# KiCad board NNCpro.kicad_pcb (continued)
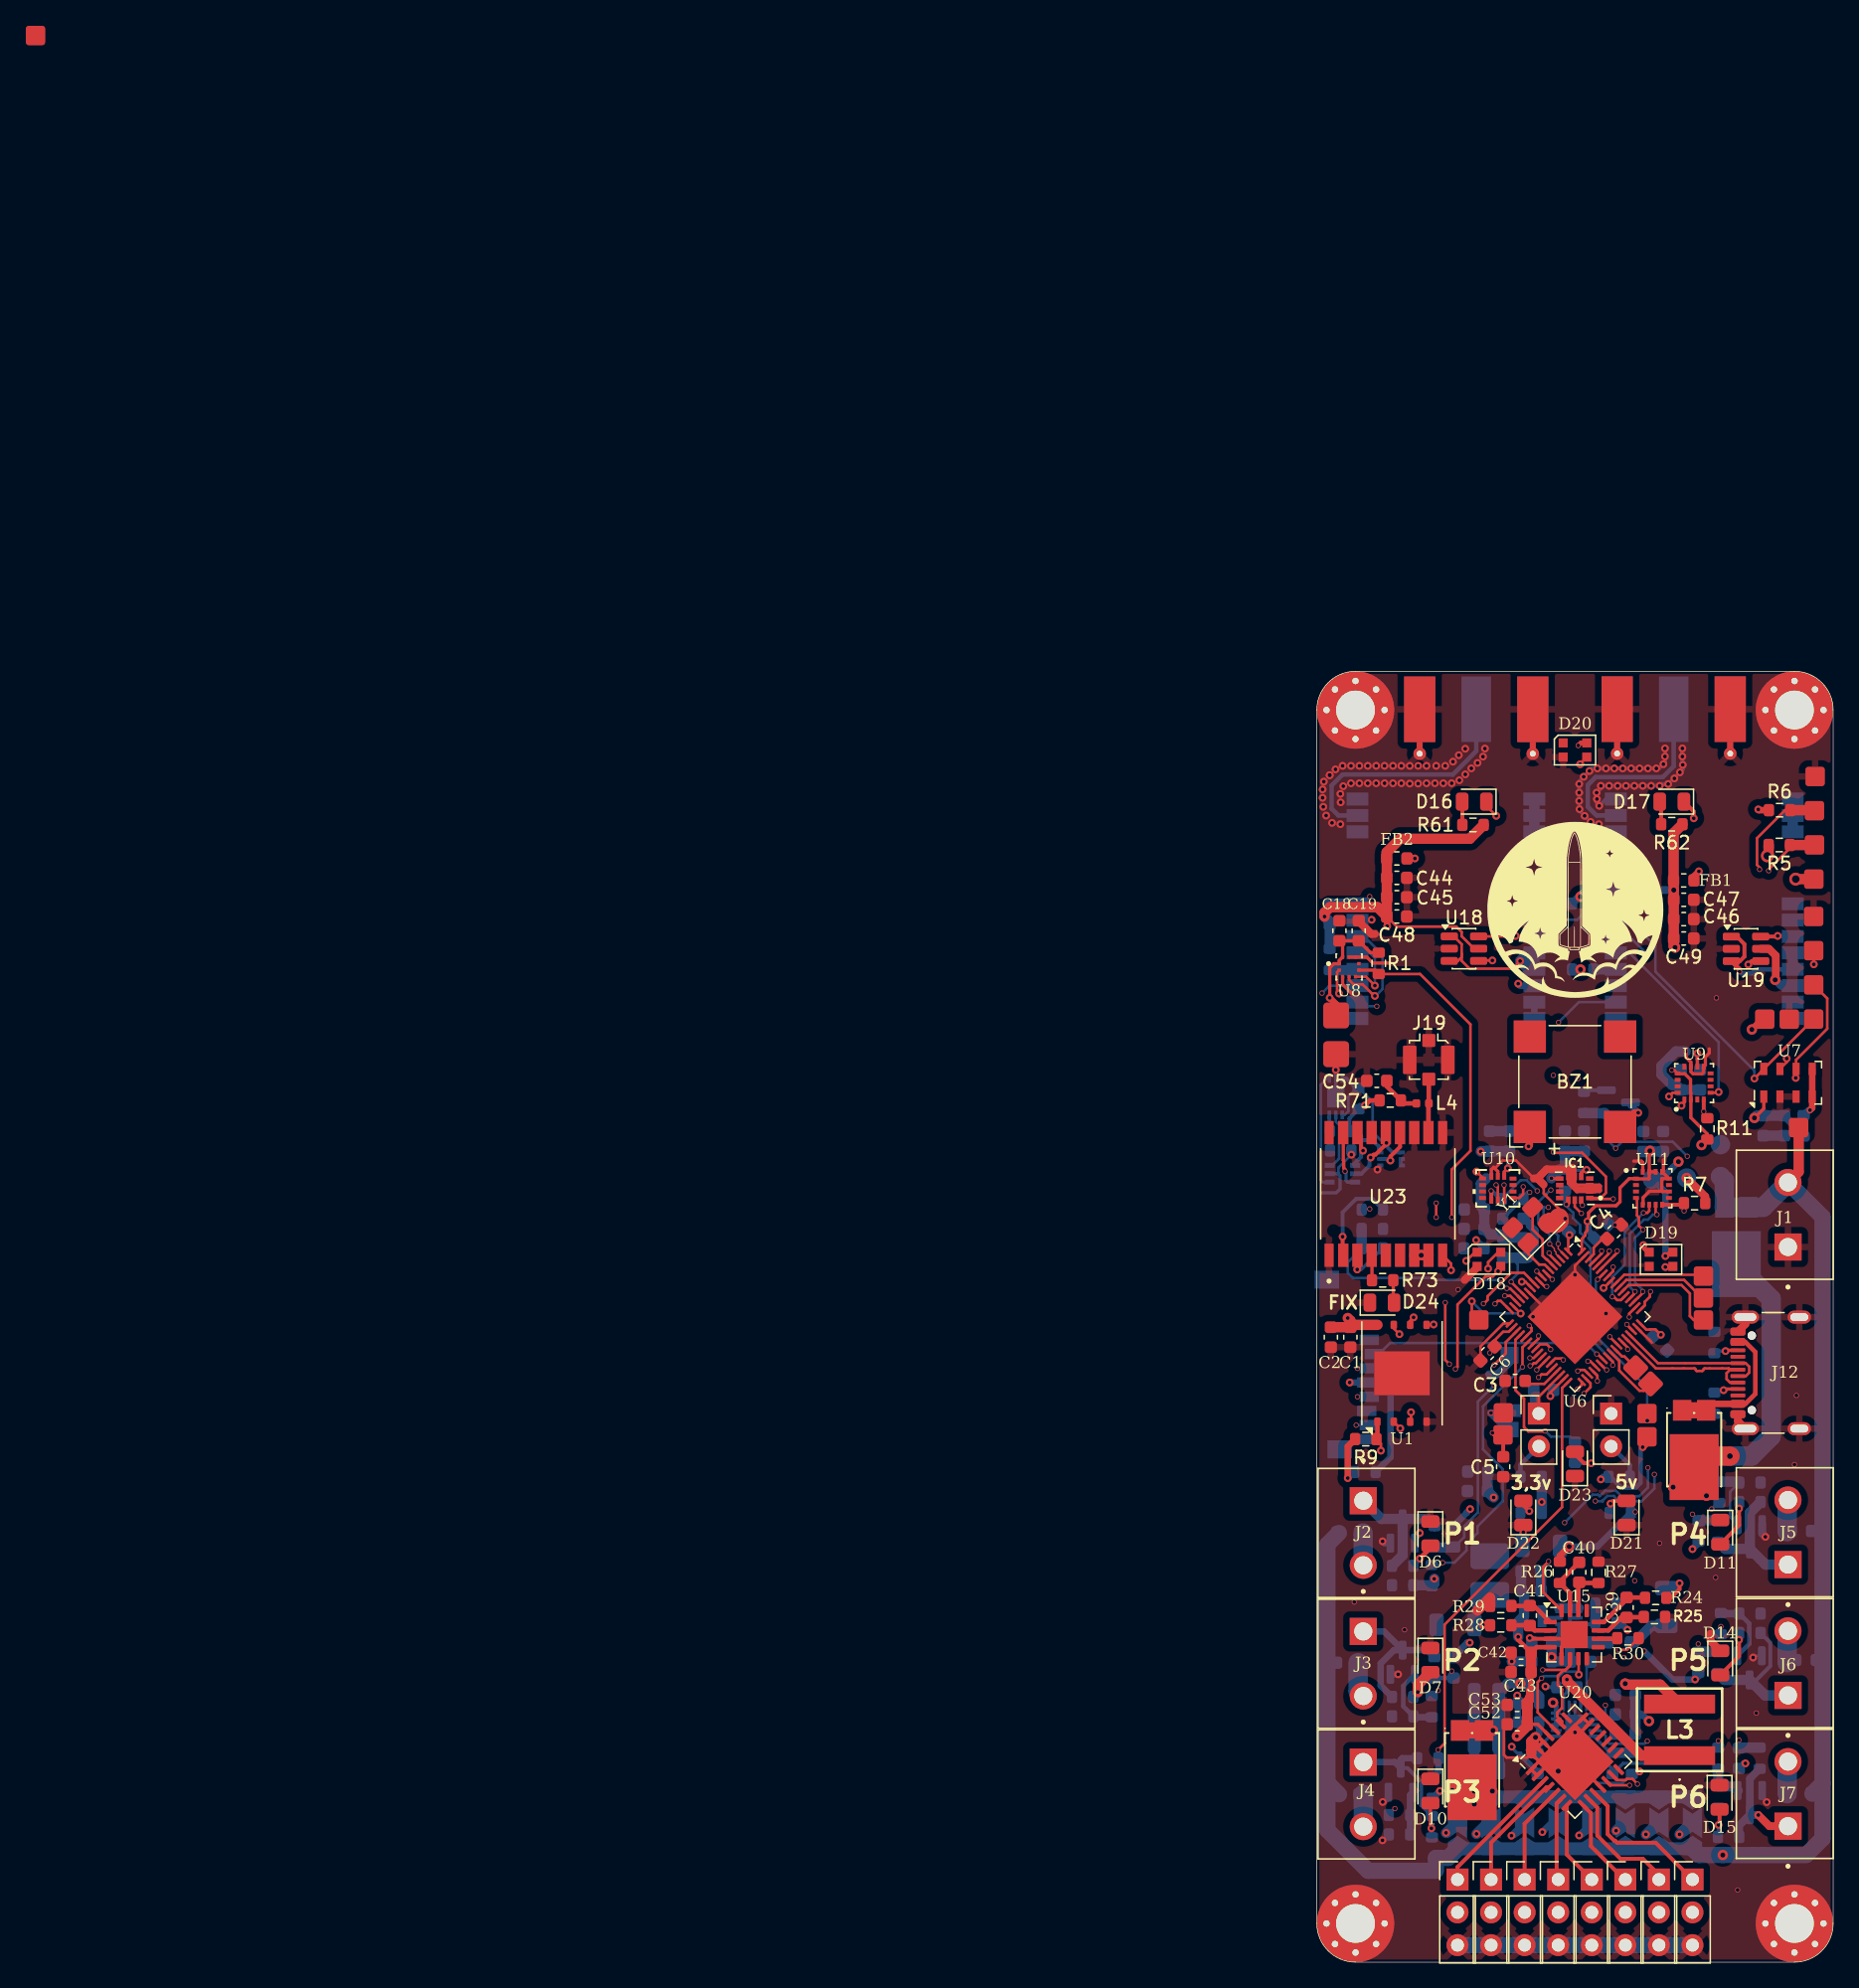
[diagram p0: board, top side]
## Library data of the parts (continued)
R1-R20 R24-R76 = -: Description: Resistor; ki_fp_filters: R_*
R21-R23 = -: Description: Resistor; Price: 0.036; ki_fp_filters: R_*
TP1-TP4 = -: Description: test point; ki_fp_filters: Pin* Test*
U1 = -: Datasheet: https://www.winbond.com/resource-files/w25q128jv_dtr%20revc%2003272018%20plus.pdf; Description: 128Mbit / 16MiB Serial Flash Memory, Standard/Dual/Quad SPI, 2.7-3.6V, WSON-8; Price: 3.1252$; ki_fp_filters: WSON*1EP*8x6mm*P1.27mm*
U6 = -: Datasheet: https://www.st.com/resource/en/datasheet/stm32h562ri.pdf; Description: STMicroelectronics Arm Cortex-M33 MCU, 2048KB flash, 640KB RAM, 250 MHz, 1.62-3.6V, 53 GPIO, VFQFPN68; Manufacturer_Part_Number: STM32H5RIV6; Price: free; ki_fp_filters: QFN*1EP*8x8mm*P0.4mm*
U7 = -: Datasheet: https://www.te.com/commerce/DocumentDelivery/DDEController?Action=srchrtrv&DocNm=MS5611-01BA03&DocType=Data+Sheet&DocLang=English; Description: Barometric pressure sensor, 10cm resolution, 10 to 1200 mbar, I2C and SPI interface up to 20MHz, LGA-8; Price: free; ki_fp_filters: LGA*3x5mm*P1.25mm*
U8 = -: Datasheet: kicad-embed://BMP390.PDF; MF: Bosch Sensortec; MAXIMUM_PACKAGE_HEIGHT: 0.8 mm; Package: None; Price: 14.02zl; Check_prices: https://www.snapeda.com/parts/BMP390L/Bosch/view-part/?ref=eda; STANDARD: Manufacturer Recommendation; PARTREV: 1.7; SnapEDA_Link: https://www.snapeda.com/parts/BMP390L/Bosch/view-part/?ref=snap; Description_1: Pressure Sensor Development Tools Evaluation Shuttle Board for the BMP390L; MANUFACTURER: BOSCH; Availability: In Stock
U9 = -: Datasheet: kicad-embed://MMC5983MA.pdf; MF: Memsic Inc.; MAXIMUM_PACKAGE_HEIGHT: 1.00 mm; Package: VFLGA-16 Memsic Inc.; Price: 2.27$; Check_prices: https://www.snapeda.com/parts/MMC5983MA/Memsic/view-part/?ref=eda; STANDARD: IPC 7351B; PARTREV: A; SnapEDA_Link: https://www.snapeda.com/parts/MMC5983MA/Memsic/view-part/?ref=snap; Description_1: MMC5983 series Magnetic, Magnetometer Sensor Evaluation Board; Availability: In Stock; MANUFACTURER: Memsic Inc.
U10 = -: Datasheet: https://www.st.com/resource/en/datasheet/lsm6dso32.pdf; Price: 18.51zl; ki_fp_filters: LGA-14L_2P5X3X0P83_STM LGA-14L_2P5X3X0P83_STM-M LGA-14L_2P5X3X0P83_STM-L
U11 = -: Datasheet: kicad-embed://h3lis200dl.pdf; PARTREV: 2; MANUFACTURER: ST MICROELECTRONICS; STANDARD: IPC 7351B; PACKAGE: LGA-16; Price: 32.2137zl
U12 = -: Datasheet: https://www.ti.com/lit/ds/symlink/tps564242.pdf; Price: 2.07zl; ki_fp_filters: TPS564242DRLR_TEX TPS564242DRLR_TEX-M TPS564242DRLR_TEX-L
U15 = -: Datasheet: http://www.ti.com/lit/ds/symlink/ina3221.pdf; Description: Triple-Channel High-Side Shunt and Bus Voltage Monitor with I2C and SMBUS Compatible Interface, QFN-16; Price: 0.83$; ki_fp_filters: Texas*RGV0016A*
U16 U17 = -: LCSC Part: C2971737
U18 U19 = -: Description: Dual schmitt inverter; Price: 0.43$; ki_fp_filters: SOT?23* SOT?363* SC?70*
U20 = -: Datasheet: http://www.nxp.com/docs/en/data-sheet/PCA9685.pdf; Description: 16-channel 12-bit PWM Fm+ I2C-bus LED controller RGBA QFN; Price: 15.76z; ki_fp_filters: QFN*1EP*6x6mm*P0.65mm*
U21 = -: Datasheet: https://lcsc.com/product-detail/Pre-ordered-Products_Analog-Devices_LT6000CDCB-TRMPBF_Analog-Devices-ADI-LINEAR-LT6000CDCB-TRMPBF_C672644.html; LCSC Part: C672644
U22 = -: LCSC Part: C19829570
U23 = -: MF: u-blox; MAXIMUM_PACKAGE_HEIGHT: 2.7mm; Package: None; Price: None; Check_prices: https://www.snapeda.com/parts/MAX-M10M-00B/u-blox/view-part/?ref=eda; STANDARD: Manufacturer Recommendations; PARTREV: C1; SnapEDA_Link: https://www.snapeda.com/parts/MAX-M10M-00B/u-blox/view-part/?ref=snap; MP: MAX-M10M-00B; Purchase-URL: https://www.snapeda.com/api/url_track_click_mouser/?unipart_id=12133580&manufacturer=u-blox&part_name=MAX-M10M-00B&search_term=max-m10m-00b; Description_1: MAX-M10 RF Receiver BeiDou, Galileo, GLONASS, GNSS, GPS -164dBm Not Included; Availability: In Stock; MANUFACTURER: u-blox
Y1 = -: Description: Four pin crystal, GND on pins 2 and 4; Price: 1.52$; ki_fp_filters: Crystal*

## Footprints (pads in the part's own frame, mm; a bottom-side part is the same pattern mirrored in y, then rotated)
3x2
  rrect 3x2 smd: 1(0,0)
7443934450068
  rect 5.5x1.45 smd: 1(0,-2) 2(0,2)
C_0603_1608Metric
  rrect 0.9x0.95 smd: 1(-0.775,0) 2(0.775,0)
C_0805_2012Metric
  rrect 1x1.45 smd: 1(-0.95,0) 2(0.95,0)
Crystal_SMD_3225-4Pin_3.2x2.5mm
  rrect 1.4x1.2 smd: 1(-1.1,-0.85) 2(1.1,-0.85) 3(1.1,0.85) 4(-1.1,0.85)
D_0603_1608Metric
  rrect 0.875x0.95 smd: 1(-0.787,0) 2(0.787,0)
DFN-6_L3.0-W2.0-P0.50-LS2.90-EP
  rect 0.28x0.66 smd: 1(-0.5,-1.41) 2(0,-1.41) 3(0.5,-1.41) 4(0.5,1.41) 5(0,1.41) 6(-0.5,1.41)
  rect 1.35x1.65 smd: 7(0,0)
Fuse_0603_1608Metric_Pad1.05x0.95mm_HandSolder
  rrect 1.05x0.95 smd: 1(-0.875,0) 2(0.875,0)
GCT_MEM2052-00-195-00-A_REVA
  rect 1.4x1.9 smd: G1(-6.575,-5.925) G2(6.575,-6.925)
  rect 1.2x1.4 smd: G3(-5.035,7.225)
  rect 1.3x1.4 smd: G4(0.715,7.225)
  rect 0.8x1.5 smd: P1(1.905,-3.635) P2(0.805,-3.235) P3(-0.295,-3.635) P4(-1.395,-3.835) P5(-2.495,-3.635) P6(-3.595,-3.835) P7(-4.695,-3.635) P8(-5.795,-3.635)
  rect 1x1.04 smd: P9(-3.585,7.595)
HANDSON_KF301-2P
  rect 2.1x2.1 hole 1.4: 1(-2.5,0)
  round 2.1 hole 1.4: 2(2.5,0)
IND-SMD_L2.0-W1.6-B
  rect 0.7x1.7 smd: 1(-0.7,0) 2(0.7,0)
L_0402_1005Metric
  rrect 0.59x0.64 smd: 1(-0.485,0) 2(0.485,0)
L_0603_1608Metric
  rrect 0.875x0.95 smd: 1(-0.787,0) 2(0.787,0)
LED_0805_2012Metric
  rrect 0.975x1.4 smd: 1(-0.938,0) 2(0.938,0)
LED_WS2812B-2020_PLCC4_2.0x2.0mm
  rect 0.7x0.7 smd: 1(-0.915,0.55) 2(-0.915,-0.55) 3(0.915,-0.55) 4(0.915,0.55)
LGA-8_3x5mm_P1.25mm
  rect 0.95x0.55 smd: 1(-1.075,1.875) 2(-1.075,0.625) 3(-1.075,-0.625) 4(-1.075,-1.875) 5(1.075,-1.875) 6(1.075,-0.625) 7(1.075,0.625) 8(1.075,1.875)
LGA-14L_2P5X3X0P83_STM
  rect 0.533x0.305 smd: 1(-1.181,0.75) 2(-1.181,0.25) 3(-1.181,-0.25) 4(-1.181,-0.75) 8(1.181,-0.75) 9(1.181,-0.25) 10(1.181,0.25) 11(1.181,0.75)
  rect 0.305x0.533 smd: 5(-0.5,-0.927) 6(0,-0.927) 7(0.5,-0.927) 12(0.5,0.927) 13(0,0.927) 14(-0.5,0.927)
MagneticBuzzer_CUI_CMT-8504-100-SMT
  rect 2.5x2.5 smd: 1(-3.5,3.5) 2(-3.5,-3.5) 3(3.5,-3.5) 4(3.5,3.5)
MountingHole_3mm_Pad_Via
  round 0.8 hole 0.5: 1(-2.25,0) 1(-1.591,1.591) 1(-1.591,-1.591) 1(0,2.25) 1(0,-2.25) 1(1.591,1.591) 1(1.591,-1.591) 1(2.25,0)
  round 6 hole 3: 1(0,0)
pad_1x1mm
  rrect 1.5x1.5 smd: 1(0,0)
PinHeader_1x02_P2.54mm_Vertical
  rect 1.7x1.7 hole 1: 1(0,0)
  round 1.7 hole 1: 2(0,-2.54)
PinHeader_1x03_P2.54mm_Vertical
  rect 1.7x1.7 hole 1: 1(0,0)
  round 1.7 hole 1: 2(0,-2.54) 3(0,-5.08)
PQFN50P300X300X100-16N
  rect 0.45x0.3 smd: 1(-1.275,0.75) 2(-1.275,0.25) 3(-1.275,-0.25) 4(-1.275,-0.75) 9(1.275,-0.75) 10(1.275,-0.25) 11(1.275,0.25) 12(1.275,0.75)
  rect 0.3x0.45 smd: 5(-0.75,-1.275) 6(-0.25,-1.275) 7(0.25,-1.275) 8(0.75,-1.275) 13(0.75,1.275) 14(0.25,1.275) 15(-0.25,1.275) 16(-0.75,1.275)
QFN-28-1EP_6x6mm_P0.65mm_EP4.25x4.25mm
  rrect 1.14x1.14 smd: (-1.42,0) (-1.42,1.42) (-1.42,-1.42) (0,1.42) (0,0) (0,-1.42) (1.42,1.42) (1.42,-1.42) (1.42,0)
  rrect 1.025x0.3 smd: 1(-2.837,1.95) 2(-2.837,1.3) 3(-2.837,0.65) 4(-2.837,0) 5(-2.837,-0.65) 6(-2.837,-1.3) 7(-2.837,-1.95) 15(2.837,-1.95) 16(2.837,-1.3) 17(2.837,-0.65) 18(2.837,0) 19(2.837,0.65) 20(2.837,1.3) 21(2.837,1.95)
  rrect 0.3x1.025 smd: 8(-1.95,-2.837) 9(-1.3,-2.837) 10(-0.65,-2.837) 11(0,-2.837) 12(0.65,-2.837) 13(1.3,-2.837) 14(1.95,-2.837) 22(1.95,2.837) 23(1.3,2.837) 24(0.65,2.837) 25(0,2.837) 26(-0.65,2.837) 27(-1.3,2.837) 28(-1.95,2.837)
  rect 4.25x4.25 smd: 29(0,0)
QFN-68-1EP_8x8mm_P0.4mm_EP5.2x5.2mm
  rrect 1.05x1.05 smd: (-1.95,1.95) (-1.95,0.65) (-1.95,-0.65) (-1.95,-1.95) (-0.65,1.95) (-0.65,0.65) (-0.65,-0.65) (-0.65,-1.95) (0.65,1.95) (0.65,0.65) (0.65,-0.65) (0.65,-1.95) (1.95,1.95) (1.95,0.65) (1.95,-0.65) (1.95,-1.95)
  rrect 0.825x0.2 smd: 1(-3.938,3.2) 2(-3.938,2.8) 3(-3.938,2.4) 4(-3.938,2) 5(-3.938,1.6) 6(-3.938,1.2) 7(-3.938,0.8) 8(-3.938,0.4) 9(-3.938,0) 10(-3.938,-0.4) 11(-3.938,-0.8) 12(-3.938,-1.2) 13(-3.938,-1.6) 14(-3.938,-2) 15(-3.938,-2.4) 16(-3.938,-2.8) 17(-3.938,-3.2) 35(3.938,-3.2) 36(3.938,-2.8) 37(3.938,-2.4) 38(3.938,-2) 39(3.938,-1.6) 40(3.938,-1.2) 41(3.938,-0.8) 42(3.938,-0.4) 43(3.938,0) 44(3.938,0.4) 45(3.938,0.8) 46(3.938,1.2) 47(3.938,1.6) 48(3.938,2) 49(3.938,2.4) 50(3.938,2.8) 51(3.938,3.2)
  rrect 0.2x0.825 smd: 18(-3.2,-3.938) 19(-2.8,-3.938) 20(-2.4,-3.938) 21(-2,-3.938) 22(-1.6,-3.938) 23(-1.2,-3.938) 24(-0.8,-3.938) 25(-0.4,-3.938) 26(0,-3.938) 27(0.4,-3.938) 28(0.8,-3.938) 29(1.2,-3.938) 30(1.6,-3.938) 31(2,-3.938) 32(2.4,-3.938) 33(2.8,-3.938) 34(3.2,-3.938) 52(3.2,3.938) 53(2.8,3.938) 54(2.4,3.938) 55(2,3.938) 56(1.6,3.938) 57(1.2,3.938) 58(0.8,3.938) 59(0.4,3.938) 60(0,3.938) 61(-0.4,3.938) 62(-0.8,3.938) 63(-1.2,3.938) 64(-1.6,3.938) 65(-2,3.938) 66(-2.4,3.938) 67(-2.8,3.938) 68(-3.2,3.938)
  rect 5.2x5.2 smd: 69(0,0)
R_0603_1608Metric
  rrect 0.8x0.95 smd: 1(-0.825,0) 2(0.825,0)
R_1206_3216Metric
  rrect 1.125x1.75 smd: 1(-1.462,0) 2(1.462,0)
SMA_Molex_73251-1153_EdgeMount_Horizontal
  rect 5.08x2.29 smd: 1(-1.72,0)
  rect 5.08x2.42 smd far side: 2(-1.72,-4.38) 2(-1.72,4.38)
  rect 5.08x2.42 smd: 2(-1.72,-4.38) 2(-1.72,4.38)
  rect 0.95x0.46 smd far side: 2(1.27,-4.38) 2(1.27,4.38)
  rect 0.95x0.46 smd: 2(1.27,-4.38) 2(1.27,4.38)
  round 0.97 hole 0.46: 2(1.72,-4.38) 2(1.72,4.38)
SolderJumper-3_P2.0mm_Open_TrianglePad1.0x1.5mm_NumberLabels
  custom 1.5x1.5 smd: 1(-2,0) 3(2,0)
  custom 2.4x1.5 smd: 2(0,0)
SolderPad2x2
  rrect 2x2 smd: 1(0,0)
SOT-23
  rrect 1.475x0.6 smd: 1(-0.938,0.95) 2(-0.938,-0.95) 3(0.938,0)
SOT-23-6
  rrect 1.325x0.6 smd: 1(-1.137,0.95) 2(-1.137,0) 3(-1.137,-0.95) 4(1.137,-0.95) 5(1.137,0) 6(1.137,0.95)
SOT-363_L2.1-W1.3-P0.65-LS2.2-BL
  rect 0.38x0.78 smd: 1(-0.65,-0.99) 2(0,-0.99) 3(0.65,-0.99) 4(0.65,0.99) 5(0,0.99) 6(-0.65,0.99)
SOTFL50P160X60-6N
  rect 0.47x0.3 smd: 1(-0.835,0.5) 2(-0.835,0) 3(-0.835,-0.5) 4(0.835,-0.5) 5(0.835,0) 6(0.835,0.5)
TestPoint_Pad_D1.5mm
  round 1.5 smd: 1(0,0)
Texas_RGV0016A_VQFN-16-1EP_4x4mm_P0.65mm_EP2.1x2.1mm
  rrect 0.85x0.85 smd: (-0.525,0.525) (-0.525,-0.525) (0.525,0.525) (0.525,-0.525)
  rrect 1.025x0.35 smd: 1(-1.863,0.975) 2(-1.863,0.325) 3(-1.863,-0.325) 4(-1.863,-0.975) 9(1.863,-0.975) 10(1.863,-0.325) 11(1.863,0.325) 12(1.863,0.975)
  rrect 0.35x1.025 smd: 5(-0.975,-1.863) 6(-0.325,-1.863) 7(0.325,-1.863) 8(0.975,-1.863) 13(0.975,1.863) 14(0.325,1.863) 15(-0.325,1.863) 16(-0.975,1.863)
  rect 2.1x2.1 smd: 17(0,0)
TO-277B_L5.7-W4.2-LS6.5-TR
  rect 1.6x1.422 smd: 1(2.2,0.93) 2(2.2,-0.93)
  rect 5.1x3.8 smd: 3(-2.2,0)
TPS564242DRLR_TEX
  rect 0.61x0.279 smd: 1(-0.749,0.5) 2(-0.749,0) 3(-0.749,-0.5) 4(0.749,-0.5) 5(0.749,0) 6(0.749,0.5)
U.FL_Molex_MCRF_73412-0110_Vertical
  rrect 1x1 smd: 1(0,-1.5) 2(0,1.5)
  rrect 1.05x2.2 smd: 2(-1.475,0) 2(1.475,0)
USB_C_Receptacle_GCT_USB4105-xx-A_16P_TopMnt_Horizontal
  round 0.65 hole 0.65 unplated: (-2.89,2.605) (2.89,2.605)
  rrect 0.6x1.15 smd: A1(-3.2,3.68) A4(-2.4,3.68) A9(2.4,3.68) A12(3.2,3.68) B1(3.2,3.68) B4(2.4,3.68) B9(-2.4,3.68) B12(-3.2,3.68)
  rrect 0.3x1.15 smd: A5(-1.25,3.68) A6(-0.25,3.68) A7(0.25,3.68) A8(1.25,3.68) B5(1.75,3.68) B6(0.75,3.68) B7(-0.75,3.68) B8(-1.75,3.68)
  oval 1x2.1 hole 0.6x1.7: S1(-4.32,3.105) S1(4.32,3.105)
  oval 1x1.8 hole 0.6x1.4: S1(-4.32,-1.075) S1(4.32,-1.075)
VQFN-20-1EP_3x3mm_P0.45mm_EP1.55x1.55mm
  rrect 0.62x0.62 smd: (-0.39,-0.39) (-0.39,0.39) (0.39,-0.39) (0.39,0.39)
  custom 0.85x0.25 smd: 1(-1.45,0.9) 5(-1.45,-0.9) 11(1.45,-0.9) 15(1.45,0.9)
  rrect 0.85x0.25 smd: 2(-1.45,0.45) 3(-1.45,0) 4(-1.45,-0.45) 12(1.45,-0.45) 13(1.45,0) 14(1.45,0.45)
  custom 0.25x0.85 smd: 6(-0.9,-1.45) 10(0.9,-1.45) 16(0.9,1.45) 20(-0.9,1.45)
  rrect 0.25x0.85 smd: 7(-0.45,-1.45) 8(0,-1.45) 9(0.45,-1.45) 17(0.45,1.45) 18(0,1.45) 19(-0.45,1.45)
  rect 1.55x1.55 smd: 21(0,0)
WIRELM-SMD_22P-L20.0-W14.0-P1.27-BR
  rect 1.7x1 smd: 1(6.85,-8.5) 2(6.85,-7.23) 3(6.85,-5.96) 4(6.85,-0.39) 5(6.85,0.88) 6(6.85,2.15) 7(6.85,3.42) 8(6.85,4.69) 9(6.85,5.96) 10(6.85,7.23) 11(6.85,8.5) 12(-6.85,8.5) 13(-6.85,7.23) 14(-6.85,5.96) 15(-6.85,4.69) 16(-6.85,3.42) 17(-6.85,2.15) 18(-6.85,0.88) 19(-6.85,-0.39) 20(-6.85,-5.96) 21(-6.85,-7.23) 22(-6.85,-8.5)
WSON-8-1EP_8x6mm_P1.27mm_EP3.4x4.3mm
  rrect 1.37x1.73 smd: (-0.85,1.075) (-0.85,-1.075) (0.85,1.075) (0.85,-1.075)
  rrect 0.65x0.5 smd: 1(-3.75,1.905) 2(-3.75,0.635) 3(-3.75,-0.635) 4(-3.75,-1.905) 5(3.75,-1.905) 6(3.75,-0.635) 7(3.75,0.635) 8(3.75,1.905)
  rect 3.4x4.3 smd: 9(0,0)
XCVR_MAX-M10M-00B
  rect 1.8x0.7 smd: 1(-4.75,4.4) 9(-4.75,-4.4) 10(4.75,-4.4) 18(4.75,4.4)
  rect 1.8x0.8 smd: 2(-4.75,3.3) 3(-4.75,2.2) 4(-4.75,1.1) 5(-4.75,0) 6(-4.75,-1.1) 7(-4.75,-2.2) 8(-4.75,-3.3) 11(4.75,-3.3) 12(4.75,-2.2) 13(4.75,-1.1) 14(4.75,0) 15(4.75,1.1) 16(4.75,2.2) 17(4.75,3.3)
XDCR_BMP390L
  rect 0.25x0.275 smd: 1(0.25,0.762) 2(-0.25,0.762) 6(-0.25,-0.762) 7(0.25,-0.762)
  rect 0.275x0.25 smd: 3(-0.762,0.5) 4(-0.762,0) 5(-0.762,-0.5) 8(0.762,-0.5) 9(0.762,0) 10(0.762,0.5)
XDCR_LSM6DSV16XTR
  rect 0.575x0.35 smd: 1(-1.163,0.75) 2(-1.163,0.25) 3(-1.163,-0.25) 4(-1.163,-0.75) 8(1.163,-0.75) 9(1.163,-0.25) 10(1.163,0.25) 11(1.163,0.75)
  rect 0.35x0.575 smd: 5(-0.5,-0.912) 6(0,-0.912) 7(0.5,-0.912) 12(0.5,0.912) 13(0,0.912) 14(-0.5,0.912)

## Nets
5V_EN: IC2.12 U6.20
+3.3V: BZ1.1 C1.1 C2.1 C6.1 C7.1 C8.1 C9.1 C10.1 C13.1 C14.2 C15.1 C16.2 C18.1 C19.2 C20.1 C21.1 C22.2 C23.1 C24.2 C27.2 C29.2 C42.1 C43.2 C50.1 C51.1 C52.1 C53.2 D4.1 D5.1 D8.1 D9.1 D12.1 D13.1 FB1.2 FB2.2 FB3.1 IC1.5 IC1.8 J13.P4 J41.1 J45.1 L1.1 L5.1 R1.2 R2.1 R3.2 R5.2 R6.1 R7.2 R8.1 R9.2 R10.2 R11.1 R17.2 R55.1 R59.1 R66.2 TP2.1 U1.8 U2.1 U6.1 U6.19 U6.33 U6.51 U6.68 U7.1 U8.1 U8.10 U9.2 U9.13 U10.5 U10.8 U11.1 U11.14 U11.15 U15.4 U20.25
+3.3VA: C11.1 C12.1 L1.2 U6.13
+3.3VADC: C55.1 C56.2 FB3.2 R76.2 U23.7 U23.8
+3.3VP1: C46.1 C47.2 C49.2 FB1.1 R57.2 R60.1 R62.1 U17.9 U19.5
+3.3VP2: C44.1 C45.2 C48.2 FB2.1 R56.2 R58.1 R61.1 U16.9 U18.5
+5V: D18.4 D19.4 D20.4 D27.3 J38.1 JP1.1 JP2.1 JP3.1 JP4.1 JP5.1 JP6.1 JP7.1 JP8.1 R22.1 R26.1 R65.2 TP3.1
GND: C1.2 C2.2 C3.2 C4.2 C5.1 C6.2 C7.2 C8.2 C9.2 C10.2 C11.2 C12.2 C13.2 C14.1 C15.2 C16.1 C17.1 C18.2 C19.1 C20.2 C21.2 C22.1 C23.2 C24.1 C25.1 C26.1 C27.1 C28.1 C29.1 C30.2 C31.2 C32.2 C33.2 C35.1 C36.1 C37.1 C38.1 C42.2 C43.1 C44.2 C45.1 C46.2 C47.1 C48.1 C49.1 C50.2 C51.2 C52.2 C53.1 C54.1 C55.2 C56.1 D6.1 D7.1 D10.1 D11.1 D14.1 D15.1 D18.2 D19.2 D20.2 D21.1 D22.1 D23.1 D24.1 H1.1 H2.1 H3.1 H4.1 IC1.2 IC1.3 IC1.6 IC1.7 IC2.7 IC2.8 IC2.10 IC2.13 IC2.16 IC2.18 IC2.21 J1.1 J8.1 J9.1 J10.2 J11.2 J12.A1 J12.A12 J12.B1 J12.B12 J12.S1 J13.G1 J13.G2 J13.G3 J13.G4 J13.P6 J14.3 J15.3 J16.3 J17.3 J18.3 J19.2 J20.3 J21.3 J22.3 J33.1 J40.1 J44.1 J46.1 Q1.2 Q2.2 Q3.2 Q4.2 Q5.2 Q6.2 Q7.2 Q8.1 R4.1 R14.1 R16.1 R18.2 R19.1 R21.2 R22.2 R23.2 R25.2 R27.2 R29.2 R34.2 R36.2 R42.2 R44.2 R50.2 R52.2 R63.2 R64.1 R68.2 R70.1 TP1.1 U1.4 U1.9 U4.1 U6.12 U6.18 U6.32 U6.50 U6.67 U6.69 U7.2 U7.3 U8.3 U8.8 U8.9 U9.9 U9.11 U10.6 U10.7 U11.5 U11.10 U11.12 U11.13 U11.16 U12.3 U12.4 U14.1 U15.3 U15.5 U15.17 U16.1 U16.2 U16.3 U16.4 U16.10 U16.11 U16.12 U16.20 U16.22 U17.1 U17.2 U17.3 U17.4 U17.10 U17.11 U17.12 U17.20 U17.22 U18.2 U19.2 U20.1 U20.2 U20.11 U20.20 U20.21 U20.26 U20.27 U20.28 U20.29 U21.5 U21.7 U22.2 U23.1 U23.10 U23.12 Y1.2 Y1.4
VBUS: D25.1 D25.2 J12.A4 J12.A9 J12.B4 J12.B9
VCC_5v_BUCK: C30.1 IC2.17 R12.1 R13.2
VIN: C31.1 C32.1 C33.1 D25.3 D26.3 R20.2 R21.1 R24.1 U12.1
+BATT: C25.2 C26.2 C28.2 D26.1 D26.2 F1.1 F2.1 F3.1 F4.1 F5.1 F6.1 IC2.2 IC2.3 IC2.4 IC2.5 J1.2 J39.1 JP1.3 JP2.3 JP3.3 JP4.3 JP5.3 JP6.3 JP7.3 JP8.3 TP4.1
-IN: U21.2 U22.3
ARGB: D18.3 U20.13
BUSY_1: U6.65 U17.14
BUSY_2: U6.53 U16.14
Buzz: Q7.1 R68.1 U20.12
CS_BMP390: R1.1 U6.4 U8.6
CS_H3L: R7.1 U6.49 U11.8
CS_LoRa1: R60.2 U6.2 U17.19
CS_LoRa2: R58.2 U6.61 U16.19
CS_LSM1: R8.2 U6.52 U10.12
CS_LSM2: IC1.12 R3.1 U6.42
CS_MAG: R11.2 U6.46 U9.4
CS_MS5611: R10.1 U6.45 U7.4 U7.5
CS_SD: J13.P2 R2.2 U6.41
DIO1_1: U6.3 U17.13
DIO1_2: U6.64 U16.13
GPS_IN: R75.2 R76.1 U6.14
GPS_OUT: R74.2 U6.63
GPS_RST: U6.15 U23.9
I2C_SCL: J42.1 R5.1 U6.29 U15.6 U20.23
I2C_SDA: J43.1 R6.2 U6.30 U15.7 U20.24
LED_1: R67.2 U6.21
NRST_LoRa1: R57.1 U17.15
NRST_LoRa2: R56.1 U16.15
OSPI_CLK: U1.6 U6.17
OSPI_IO0: U1.5 U6.11
OSPI_IO1: U1.2 U6.26
OSPI_IO2: U1.3 U6.10
OSPI_IO3: U1.7 U6.22
OSPI_NCS: R9.1 U1.1 U6.60
P_DET_1: D4.2 R33.2 U6.24
P_DET_2: D5.2 R35.2 U6.27
P_DET_3: D8.2 R41.2 U6.34
P_DET_4: D9.2 R43.2 U6.39
P_DET_5: D12.2 R49.2 U6.37
P_DET_6: D13.2 R51.2 U6.35
PA1: J30.1
PA2: J31.1 U6.16
PA8: J36.1 U6.44
PB3: J32.1 U6.57
PB4: J34.1 U6.58
PB5: J35.1 U6.59
PC9: J37.1 U6.43
PYRO_1: R31.1 U6.23
PYRO_2: R32.1 U6.25
PYRO_3: R39.1 U6.28
PYRO_4: R40.1 U6.40
PYRO_5: R47.1 U6.38
PYRO_6: R48.1 U6.36
SepDet1: J8.2 R55.2 U6.8
SepDet2: J9.2 R59.2 U6.9
Serv_1: J14.1 U20.3
Serv_2: J15.1 U20.4
Serv_3: J16.1 U20.5
Serv_4: J17.1 U20.6
Serv_5: J18.1 U20.7
Serv_6: J20.1 U20.8
Serv_7: J21.1 U20.9
Serv_8: J22.1 U20.10
SPI_CLK: IC1.13 J13.P5 J29.1 U6.54 U7.8 U8.2 U9.1 U10.13 U11.4 U16.18 U17.18
SPI_MISO: IC1.1 J13.P7 J28.1 U6.55 U7.6 U8.5 U9.5 U10.1 U11.7 U16.16 U17.16
SPI_MOSI: IC1.14 J13.P3 J27.1 U6.56 U7.7 U8.4 U9.16 U10.14 U11.6 U16.17 U17.17
USB_DN: J12.A7 J12.B7 U6.47
USB_DP: J12.A6 J12.B6 U6.48
V_RF: Q8.4 R72.1 U21.1 U21.6 U22.5 U23.14
Net-(BZ1--): BZ1.2 Q7.3
Net-(C3-Pad1): C3.1 U6.31
Net-(C4-Pad1): C4.1 U6.66
Net-(C35-Pad2): C35.2 C36.2 C37.2 C38.2 D27.1 D27.2 L3.2 R15.2
Net-(C54-Pad2): C54.2 L4.1 R71.2
Net-(D6-A): D6.2 R37.1
Net-(D7-A): D7.2 R38.1
Net-(D10-A): D10.2 R45.1
Net-(D11-A): D11.2 R46.1
Net-(D14-A): D14.2 R53.1
Net-(D15-A): D15.2 R54.1
Net-(D16-A): D16.2 R61.2
Net-(D16-K): D16.1 U18.4
Net-(D17-A): D17.2 R62.2
Net-(D17-K): D17.1 U19.4
Net-(D18-DOUT): D18.1 D19.3
Net-(D19-DOUT): D19.1 D20.3
Net-(D21-A): D21.2 R65.1
Net-(D22-A): D22.2 R66.1
Net-(D23-A): D23.2 R67.1
Net-(D24-A): D24.2 R73.1
Net-(IC2-BST): C34.2 IC2.1
Net-(IC2-FB): IC2.14 R15.1 R16.2
Net-(IC2-MODE): IC2.15 R12.2 R14.2
Net-(IC2-PGOOD): IC2.9 R13.1
Net-(IC2-SW_1): C34.1 IC2.6 IC2.19 IC2.20 L3.1
Net-(J2-Pin_1): J2.1 Q1.3 R33.1 R37.2
Net-(J2-Pin_2): F2.2 J2.2
Net-(J3-Pin_1): J3.1 Q2.3 R35.1 R38.2
Net-(J3-Pin_2): F1.2 J3.2
Net-(J4-Pin_1): J4.1 Q3.3 R41.1 R45.2
Net-(J4-Pin_2): F3.2 J4.2
Net-(J5-Pin_1): J5.1 Q4.3 R43.1 R46.2
Net-(J5-Pin_2): F4.2 J5.2
Net-(J6-Pin_1): J6.1 Q5.3 R49.1 R53.2
Net-(J6-Pin_2): F5.2 J6.2
Net-(J7-Pin_1): J7.1 Q6.3 R51.1 R54.2
Net-(J7-Pin_2): F6.2 J7.2
Net-(J10-In): J10.1 U17.21
Net-(J11-In): J11.1 U16.21
Net-(J12-CC1): J12.A5 R63.1
Net-(J12-CC2): J12.B5 R64.2
Net-(J14-Pin_2): J14.2 JP1.2
Net-(J15-Pin_2): J15.2 JP2.2
Net-(J16-Pin_2): J16.2 JP3.2
Net-(J17-Pin_2): J17.2 JP4.2
Net-(J18-Pin_2): J18.2 JP5.2
Net-(J19-In): J19.1 L4.2 U23.11
Net-(J20-Pin_2): J20.2 JP6.2
Net-(J21-Pin_2): J21.2 JP7.2
Net-(J22-Pin_2): J22.2 JP8.2
Net-(Q1-G): Q1.1 R31.2 R34.1
Net-(Q2-G): Q2.1 R32.2 R36.1
Net-(Q3-G): Q3.1 R39.2 R42.1
Net-(Q4-G): Q4.1 R40.2 R44.1
Net-(Q5-G): Q5.1 R47.2 R50.1
Net-(Q6-G): Q6.1 R48.2 R52.1
Net-(Q8-D1): Q8.5 Q8.6
Net-(Q8-D2): Q8.3 R69.2 R71.1 R72.2
Net-(Q8-G1): Q8.2 U23.13
Net-(R23-Pad1): R23.1 R28.1 U13.1
Net-(U6-BOOT0): R4.2 U3.1 U6.62
Net-(U6-NRST): C5.2 U5.1 U6.7
Net-(U6-PH0): U6.5 Y1.3
Net-(U6-PH1): U6.6 Y1.1
Net-(U9-CAP): C17.2 U9.10
Net-(U12-EN): R19.2 R20.1 U12.5
Net-(U12-FB): R17.1 R18.1 U12.6
Net-(U12-SW): L5.2 U12.2
Net-(U15-IN+1): C39.2 R24.2 U15.12
Net-(U15-IN+2): C40.2 R26.2 U15.15
Net-(U15-IN+3): C41.2 R28.2 U15.2
Net-(U15-IN-1): C39.1 R25.1 U15.11
Net-(U15-IN-2): C40.1 R27.1 U15.14
Net-(U15-IN-3): C41.1 R29.1 U15.1
Net-(U15-PV): R30.1 U15.10
Net-(U15-VPU): R30.2 U15.16
Net-(U16-DIO2): U16.7 U16.8 U18.1 U18.3
Net-(U16-RXEN): U16.6 U18.6
Net-(U17-DIO2): U17.7 U17.8 U19.1 U19.3
Net-(U17-RXEN): U17.6 U19.6
Net-(U21-+IN): R69.1 R70.2 U21.3
Net-(U21-OUT): U21.4 U22.1
Net-(U22-Y1): U22.6 U23.17
Net-(U22-Y2): U22.4 U23.16
Net-(U23-RXD): R75.1 U23.3
Net-(U23-TIMEPULSE): R73.2 U23.4
Net-(U23-TXD): R74.1 U23.2

Pads without a net: BZ1 3 4; D20 1; IC1 4 9 10 11; IC2 11; J12 A8 B8; J13 P1 P8 P9; U8 7; U9 3 6 7 8 12 14 15; U10 2 3 4 9 10 11; U11 2 3 9 11; U15 8 9 13; U16 5; U17 5; U20 14 15 16 17 18 19 22; U23 5 6 15 18

## Via types
v1: diameter 0.6, hole 0.3, Top to Bottom, 208 vias
v2: diameter 0.4, hole 0.3, Top to Bottom, 137 vias
v3: diameter 0.8, hole 0.4, Top to Bottom, 28 vias
v4: diameter 1, hole 0.6, Top to Bottom, 2 vias
v5: diameter 0.8, hole 0.45, Top to Bottom, 1 via

## Routing (per net, layer and track width the routed paths; a pad name or vN(x,y) marks a point on that pad's centre or on a via; arc(x,y) is an arc through that point)
5V_EN: length 37.5
  Top w0.2: U6.20 14.64,48.03 14.64,47.17 13.84,46.37 13.83,46.37 v2(13.73,46.27)
  In1.Cu w0.2: v2(13.73,46.27) 13.92,46.27 14.24,45.95 14.24,39.7 23.47,30.48 23.47,25.5 24.59,24.38 24.59,21.29 23.21,19.9 v2(22.35,19.9)
  Bottom w0.2: IC2.12 21.96,18.85 22.35,19.25 v2(22.35,19.9)
+3.3V: length 152
  Top w0.2: U6.1 19.48,56.23 v1(19.58,56.33) ; v1(26.65,48.6) 26.23,49.02 25.82,49.02 25.8,49 25.53,49 U6.51 ; U6.68 20.52,56.02 20.8,56.3 20.8,56.52 20.96,56.68 v1(20.96,57.39) ; v2(13.4,47.2) 13.78,47.58 13.78,48.17 14.44,48.84 14.88,48.84 U6.19 ; v2(27.5,69.1) 27.7,69.1 U9.13 ; U6.33 18.1,44.14 18.1,43.86 v1(18.09,43.85) ; U10.8 12.84,60.78 v1(12.37,61.25)
  Top w0.25: U9.13 27.97,68.83 28.5,68.83 28.95,68.38 28.95,67.35 28.97,67.33 U9.2 28.97,65.42 30.25,64.15 R11.1 30.23,63.73 v3(29.8,63.3) ; v1(1,74.7) 1,77.03 1.33,77.35 U8.1 1.74,77.6 U8.10 2,78.88 C18.1 C19.2 4.17,78.2 R1.2 ; C52.1 17.11,18.43 U20.25 ; v1(20.96,57.39) 21.05,57.47 21.05,58.05 21.6,58.6 23.18,58.6 23.49,58.91 23.49,59.99 24.2,60.7 U11.1 24.75,60.67 25.72,60.67 25.75,60.7 25.75,61.22 ; U7.1 34.62,66.12 v3(33.9,65.4) ; IC1.5 20.48,61.14 20.71,61.38 v1(20.9,61.38) ; IC1.8 18.2,60.7 v2(18.17,60.73) ; 25.75,61.22 25.75,62.55 25.92,62.72 25.92,62.73 v3(25.8,62.85) ; 25.75,61.22 26.25,61.22 ; U10.5 14.52,61.22 v1(14.8,61.5)
  Top w0.35: 16.44,22 16.55,21.89 16.55,21.25 16.37,21.08 16.37,20.55 16.04,20.21 16.3,19.95 C53.2 ; C53.2 16.33,19.93 16.64,20.24 16.64,20.75 ; C53.2 16.3,20.55 16.6,20.85 C43.2 ; v1(15.6,25.2) 15.6,24.97 C42.1 17.03,24.4 U15.4
  Top w0.5: v1(2.4,37.5) 2.4,39.95 R9.2 ; J45.1 1.5,74.2 v1(1,74.7) ; v1(29.6,84.5) 29.21,84.11 FB1.2 ; v1(25.24,39.89) 25.58,40.22 U2.1 ; R6.1 34.26,89.24 v1(34.2,89.3) ; v1(16.4,63.2) 16.5,63.3 BZ1.1 ; FB2.2 v1(7.6,85.5)
  Top w0.6: v3(28.65,60.75) 30.09,59.31 R7.2
  Top w0.8: C2.1 C1.1 ; C1.1 2.6,49.7 v1(2.4,49.9) ; C1.1 2.78,49.37 U1.8 ; v4(34.9,85.7) 35,85.8 R5.2 ; v1(15.5,17.5) 16.3,18.3 C53.2 C52.1 ; J41.1 v4(37.1,83.9) ; C42.1 C43.2
  In1.Cu w0.2: v1(18.09,43.85) 17.48,43.85 14.2,47.13 14.2,47.2
  In1.Cu w0.35: v1(20.96,57.39) 21.15,57.57 21.15,61.12 v1(20.9,61.38)
  In1.Cu w0.6: 14.3,47.1 14.2,47.2 v2(13.4,47.2) 10.15,47.2 9.55,46.6
  In2.Cu w0.25: v2(18.17,60.73) 17.31,60.73 16.49,59.9 v2(16.49,59.64)
  In2.Cu w0.35: v2(23.8,23.6) 23.8,23.55 24.1,23.85 25.1,23.85 v2(25.35,24.1)
  Bottom w0.2: v2(27.5,69.1) 27.53,69.12 C20.1
  Bottom w0.25: R3.2 19.31,61.34 20.87,61.34 v1(20.9,61.38) ; C23.1 14.8,62.72 v1(14.8,61.5)
  Bottom w0.3: v2(16.49,59.64) 16.34,59.64 16,59.3 R8.1 15.91,59.11 L1.1
  Bottom w0.35: v1(25.24,39.89) 25.08,39.72 25.08,37.13 24.69,36.75 23.61,36.75 22.76,37.6 R59.1
  Bottom w0.5: D8.1 8.99,12.71 v1(9.54,13.26) ; R59.1 22.2,37.6 v1(22,37.4) ; v1(2.55,44.91) 2.56,44.9 2.7,44.9 2.7,44.91 3.86,44.91 ; C8.1 19.53,56.38 v1(19.58,56.33) ; v1(29.1,32) 29.57,32.47 D9.1 ; D4.1 10.65,33.85 11.63,34.83 11.63,34.86 v1(11.88,35.1) ; C7.1 18.09,44.07 v1(18.09,43.85) ; v1(20.96,57.39) 21.02,57.33 21.02,56.68 21.5,56.2 C10.1 ; v1(26.65,48.6) 26.17,48.6 26.05,48.47 ; v1(33.2,15.4) 33.09,15.4 D13.1 ; FB3.1 12.34,55.93 v1(12.34,55.94) ; v1(2.4,37.5) 2.87,37.97 R2.1 ; 23.22,26.28 23.54,26.28 v1(24.07,25.75) ; v2(25.35,24.1) 27.55,21.9 v1(29.3,21.9) 29.55,22.15 D12.1 ; v1(11.84,24.75) 11.65,24.75 11.13,24.23 11.13,24.12 D5.1
  Bottom w0.6: C13.1 37.71,64.06 R10.2
  Bottom w0.8: C23.1 C24.2 12.72,62.83 v1(12.7,62.8) ; v1(13.7,36) 13.22,36.47 13.22,37.97 C50.1 ; C22.2 25.75,62.8 v3(25.8,62.85) 25.92,62.85 25.97,62.8 C21.1 ; C29.2 C27.2 16.05,28.55 L5.1 15.6,26.35 15.6,25.2 ; C13.1 C14.2 34.07,65.58 v3(33.9,65.4) ; C15.1 C16.2 19.23,62.82 R3.2 18.87,61.42 v2(18.17,60.73) ; R55.1 R66.2 v1(17.42,35.65)
+3.3VA: length 9.5
  Top w0.2: U6.13 15.05,52.69 15.05,52.71
  Bottom w0.2: 15.05,54.58 15.55,54.08 15.55,53.32 15.09,52.86 15.09,52.74 v2(15.05,52.7) 15.09,52.67 15.09,52.65
  Bottom w0.6: 16.4,54.58 16.5,54.67 16.5,55.19 16.9,55.59 16.9,56.66 16.5,57.06 16.5,57.2 16.1,57.6
  Bottom w0.8: L1.2 16.1,57.6 ; 14.42,54.58 16.4,54.58
+3.3VADC: length 1.1
  Top w0.8: U23.7 v3(8.09,54.76) U23.8
+3.3VP1: length 38.3
  Top w0.6: U19.5 35.02,78.5 35.55,77.97 35.55,76.13 v3(35.51,76.09)
  Top w0.8: v3(27.75,78.6) 27.65,78.7 C49.2 v3(27.65,83.05) 27.65,83.79 FB1.1 27.64,87.46 R62.1
  In2.Cu w0.6: v3(20.42,76.9) v3(20.42,82.54)
  In2.Cu w0.8: v3(27.75,78.6) 33.4,78.6 35.51,76.49 v3(35.51,76.09)
  Bottom w0.6: 19.78,82 20.83,83.05 v3(27.65,83.05) ; v3(35.51,76.09) 35.96,75.64 U17.9 ; 19.78,76.9 v3(20.42,76.9)
+3.3VP2: length 44
  Top w0.2: U18.5 12.18,78.51 11.22,79.47 11.22,79.8 10.8,80.22 6.2,80.22 C48.2
  Top w0.5: C48.2 5.45,80.97 v1(5.45,80.25)
  Top w0.8: R61.1 11.85,87.03 6.46,87.03 5.41,85.97 FB2.1 5.42,85.49 C48.2 4.7,81.72 1.03,81.72 0.6,81.3 v1(0.6,81)
  In1.Cu w0.5: v1(15.6,75.8) 9.9,75.8 v1(5.45,80.25)
  Bottom w0.5: U16.9 15.76,75.64 v1(15.6,75.8)
  Bottom w0.8: v1(0.6,81) 1,80.6 R58.1 R56.2
+5V: length 150.8
  Top w0.2: D19.4 27.3,55 v1(27,54.7) ; v1(13.27,53.72) 13.27,54.22 14.05,55 D18.4
  Top w0.35: D20.4 20.45,94.45 v2(20.25,94.25)
  Top w0.5: v3(19.55,32.2) 18.83,31.47 R26.1 ; v3(33.7,72.25) 34.55,73.1 34.7,73.1
  In2.Cu w0.2: 27.35,52.8 26.9,53.25 26.75,53.25 26.55,53.45 25.98,53.45 23.83,55.6 19.46,55.6 18.56,56.5 16.05,56.5 v1(13.27,53.72) ; 27.35,52.8 27.7,53.15 27.7,54 v1(27,54.7) ; 27.35,52.8 27.35,52.74 25.08,50.47 23.97,50.47 23.5,50 23.5,44.1 23.95,43.65 23.95,39.48 23.4,38.93 23.4,36.16 v2(24.67,34.88)
  In2.Cu w0.35: v2(20.25,94.25) 20.7,94.7 28.6,94.7 33.53,89.77 33.53,79.57 36.28,76.81 36.28,74.83 v3(33.7,72.25)
  In2.Cu w0.5: v3(33.7,72.25) 33.15,71.7 33.15,67.85 28.01,62.71 v3(28.01,62.01) ; v3(12.2,12.25) 12.75,12.8 12.75,24.09 19.55,30.89 v3(19.55,32.2)
  Bottom w0.5: R65.2 21.72,32.2 v3(19.55,32.2) 18.9,32.2 R22.1 ; v1(27,54.7) 27,59.65 TP3.1 26.65,60.65 v3(28.01,62.01)
  Bottom w1: JP1.1 JP8.1
  vias: v3(10.5,13.3) v3(12.2,13.25) v3(13.6,13.25)
GND: length 245.8
  Top w0.2: v2(19.25,57.6) 19.15,57.7 18.36,57.7 Y1.2 18.44,57.77 ; J8.1 17.2,43.81 U6.32 ; U20.28 16.29,15.85 14.7,15.85 14.5,16.05 14.5,18.18 C52.2 ; U6.18 14.46,49.48 12.68,47.7 C6.2 ; U6.50 25.12,48.84 25.12,48.83 25.95,48 ; 13.79,61.49 14.4,62.1 15.43,62.1 17.58,59.95 17.58,59.54 17.67,59.45 17.75,59.45 17.75,59.37 18.75,58.37 18.75,57.66 ; 17.4,50.9 17.4,50.9 U6.12 ; 18.96,23.1 U15.5 ; U6.67 20,53.96 v1(20,53.25)
  Top w0.25: U11.10 26.75,59.7 26.72,59.72 ; IC1.6 19.69,60.86 ; IC1.6 19.98,60.59 19.85,60.46 20.18,60.13 20.18,59.84 ; IC1.6 19.98,61.32 19.79,61.51 19.79,61.22 19.77,61.22 ; IC1.6 19.98,61.58 19.87,61.69 19.6,61.69 19.48,61.57 IC1.7 ; IC1.6 19.98,60.33 20.11,60.2 IC1.3 ; 19.69,60.86 19.69,61.46 19.64,61.51 ; 19.69,60.86 IC1.7 ; 19.69,60.86 19.69,60.4 20.11,59.98 20.79,59.98 ; 16.61,14.95 17.22,15.56 ; U20.11 21.39,14.15 ; U20.21 U20.20 ; IC1.3 21.89,60.2 21.97,60.12 21.97,59.77 21.9,59.7 IC1.2 ; IC1.3 21.14,59.98 ; IC1.2 21.07,59.7 20.85,59.92 ; IC1.2 21.57,59.7 21.68,59.81 ; IC1.2 20.18,59.7 ; IC1.2 21.14,59.98 ; 20.85,59.92 20.79,59.98 ; 20.85,59.92 20.77,59.84 20.18,59.84 ; 20.79,59.98 21.14,59.98 ; 26.72,59.72 25.78,59.72 25.28,59.22 25.28,58.7 U11.5 ; 26.72,59.72 26.72,60.67 26.75,60.7 U11.12 26.75,61.22 26.85,61.33 26.85,62.15 ; 21.08,16.14 21.08,16.12 ; 20.18,59.7 20.12,59.7 19.48,60.34 IC1.7 ; 20.18,59.7 20.18,59.84 ; U10.7 13.52,61.4 13.7,61.58 14.02,61.26 U10.6 ; U8.9 U8.8 3.88,77.86 4.34,77.4 5.7,77.4 ; U20.1 U20.2 ; 2.75,75 2,75.75 U8.3 ; 25.25,61.22 25.25,61.95 25.15,62.05 24.55,62.05 ; 21.08,18.45 20.49,17.86 ; 20.59,18.93 20.02,18.36 ; 20.62,16.6 20.59,16.6 ; 17.53,17.08 18.1,16.51 ; 21.48,59.86 21.63,59.86 21.68,59.81 ; 30.4,70.75 30.4,70.42 30.1,70.12 30.1,69.5 U9.9 29.95,69.35 29.95,68.92 29.85,68.83 29.14,68.83 28.97,68.99 U9.11 28.97,69.72 28.6,70.1 28.6,70.55 ; 21.68,59.81 21.82,59.95 21.73,60.04 21.73,60.05 21.44,60.05 21.31,59.92 ; 17.2,15.58 U20.28 U20.26 ; 17.07,14.46 17.65,15.04 ; U20.27 17.68,16.02
  Top w0.3: U15.5 18.96,24.4 U15.17 19.61,25.05 U15.3 16.74,25.05 16.68,25.11 v1(16.5,25.11)
  Top w0.5: v3(16.94,17.42) 16.94,16.76 U20.27 ; v2(16,33.3) D22.1
  Top w0.6: C19.1 3.25,80.62 3.79,80.08 3.81,80.08 4.23,79.65 4.5,79.65 ; 16.82,60.72 17.1,60.72 ; 17.1,60.72 17.57,60.24 ; 17.1,60.72 17.81,61.43 19.56,61.43 19.77,61.22 ; J12.S1 32.62,41.91 J12.A1 ; 30.5,25.45 30.5,24.87 D14.1 ; 11.45,52.85 12.42,53.82 D18.2 ; J12.A12 33.19,49.42 J12.S1
  Top w0.8: 12.45,27.25 13.42,28.22 R29.2 ; v3(16.94,17.42) 16.61,17.09 U20.28
  Top w1.5: Y1.2 18.57,57.26 18.75,57.44 18.75,57.66
  In1.Cu w0.2: v1(16.75,50) 17.28,50 20,52.72 v1(20,53.25)
  In1.Cu w0.5: v3(16.94,17.42) 19.62,17.42 v1(20,17.8) ; v2(26.55,32.45) 29.2,29.8 v2(30.9,29.8)
  In1.Cu w0.6: v1(34.75,32.95) 34.05,32.95 v2(30.9,29.8)
  In2.Cu w0.5: v1(15.1,23.3) 15.24,23.3 16.76,21.78 16.76,17.6 v3(16.94,17.42)
  Bottom w0.2: v1(33.8,23.6) 33.94,23.74 Q5.2 ; IC2.18 v1(20,17.8) IC2.21 ; IC2.13 IC2.21 ; IC2.21 IC2.8 ; v2(19.25,57.6) 19.15,57.7 18.48,57.7 C8.2 ; 19.48,18.94 19.55,19.01 IC2.7 ; IC2.10 20.9,22.97 C31.2 ; Q6.2 34.5,12.75 v1(34.85,12.4) ; 1.64,61.08 1.69,61.13 1.69,61.56 v1(2.67,62.55) ; 22.93,20.89 C26.1 23,20.7
  Bottom w0.25: 0.4,59.6 1.5,59.6 1.8,59.9 1.8,60.91 1.64,61.08 U22.2 ; v1(1.47,69.13) U21.5 U21.7 ; v1(4.7,61.4) 4.92,61.62 4.92,61.72 ; R70.1 2.68,62.56 v1(2.67,62.55) ; Q3.2 5.55,12.85 v1(5.11,12.41) ; 25.3,15.4 23.72,15.4 R14.1 22.9,14.95 IC2.16 ; v1(5.09,9.44) 5.55,9.9 R42.2
  Bottom w0.3: v1(28.32,94.02) v1(28.32,93.4) 28.32,92.78 v1(28.35,92.75) 28.35,92.4 v1(27.22,91.27) 26.71,91.27 v1(26.56,91.12) v1(22,91.12) 22,90.93 v1(21.67,90.6) 21.67,90.12 v1(21.7,90.1) 21.7,89.75 v1(21.88,89.58) 22.41,90.1 U17.22 ; v1(26.97,94.02) v1(26.97,93.4) 26.97,92.92 v1(26.85,92.8) 26.52,92.47 v1(26.3,92.47) 21.32,92.47 v1(21.12,92.28) 20.33,91.48 v1(20.33,91.27) 20.33,89.22 v1(20.75,88.8) 21.39,88.16 v1(21.85,88.16) 22.44,87.56 U17.20 ; R68.2 20.83,67.55 Q7.2
  Bottom w0.5: 17.22,18.6 17.22,17.7 v3(16.94,17.42) ; Q2.2 v1(6.3,22.3) ; U16.11 U16.10 ; R22.2 15.92,33.22 v2(16,33.3) ; v1(5.1,32.6) 5.24,32.46 Q1.2
  Bottom w0.6: v2(13.5,42.55) 14.78,41.27 J13.G3 ; C7.2 16.8,42.9 J8.1 ; 13.35,45.55 14,45.55 14.92,46.47 J13.G4 ; v1(34.75,32.95) 34.5,33.2 Q4.2
  Bottom w0.8: 29.7,67.58 28.2,67.58 27.81,67.96 27.51,67.96 26.7,68.77 26.7,69.43 27.82,70.55 v2(28.58,70.55) ; U16.1 U16.3 ; U17.1 U17.3 ; R19.1 24.65,24.78 25.92,26.05 R21.2 ; C12.2 C11.2 14.17,56.38 13.39,56.38 C55.2 12.97,56.81 C56.1 12.7,58.58 12.7,60.3 13.12,60.72 ; C29.1 C27.1 ; C14.1 C13.2 ; C33.2 C32.2 v1(15.1,23.3) ; C35.1 C37.1 ; 18.78,27.42 20.27,27.42 ; C24.1 C23.2
  Bottom w1.25: J14.3 J22.3
  vias: v1(0.55,91.45) v1(0.45,90.85) v1(0.45,90.2) v1(0.5,89.5) v1(0.72,88.82) v1(1,91.95) v1(1,91.95) v1(1.18,88.26) v1(1.45,92.4) v1(1.83,90.5) v1(1.85,89.85) v1(1.82,88.16) v1(2,92.67) v1(2.05,91.1) v1(2.65,92.67) v1(2.65,91.33) v1(3.3,92.67) v1(3.3,91.33) v1(3.95,91.33) v1(3.95,92.67) v1(4.6,92.67) v1(4.6,91.33) v1(5.25,92.67) v1(5.25,91.33) v1(5.9,92.67) v1(5.9,91.33) v1(6.55,92.67) v1(6.55,91.33) v1(7.2,92.67) v1(7.2,91.3) v1(7.85,92.67) v1(7.85,91.3) v1(8.5,92.67) v1(8.5,91.33) v1(9.25,92.67) v1(9.15,91.33) v1(9.8,91.33) v1(9.95,92.67) v1(10.55,93) v1(10.45,91.33) v1(11,93.5) v1(11.05,91.55) v1(11.5,94) v1(11.51,92.01) v1(11.97,92.48) v1(12.45,92.9) v1(12.87,93.39) v1(13.03,94.01) v1(20.33,90.6) v1(20.33,89.95) v1(20.35,89.31) v1(20.67,91.83) v1(21.21,88.33) v1(21.73,92.47) v1(22.4,92.47) v1(22.65,91.12) v1(23.05,92.47) v1(23.3,91.12) v1(23.7,92.47) v1(23.95,91.12) v1(24.35,92.47) v1(24.6,91.12) v1(25,92.47) v1(25.25,91.12) v1(25.65,92.47) v1(25.9,91.12) v1(27.7,91.7) v1(28.13,92.17) v2(2.9,27.9) v2(6.8,25.75) v2(10.95,52.1) v2(22.4,50.25) v2(23.1,57.1) v2(30.95,74.7) v2(32.6,5.6) v2(34.05,19.3) v2(37,38.55) v2(37.15,43.9) v3(18.7,14.8)
